# Altium PCB roach2.PcbDoc (part 15 of 39)
Units mil, origin at the board's own origin, x right, y up, seen from the top; angles counter-clockwise.
Board outline 12007.87 x 9606.3 mil, 16 copper layers (L1_TOP, L2_G, L3_S, L4_G, L5_S, L6_P, L7_G, L8_R, L9_R, L10_P, L11_P, L12_S, L13_P, L14_S, L15_G, L16_BOT), stack 81.651 mil thick; 1568 components, 1918 nets, 9251 pads, 6741 vias.
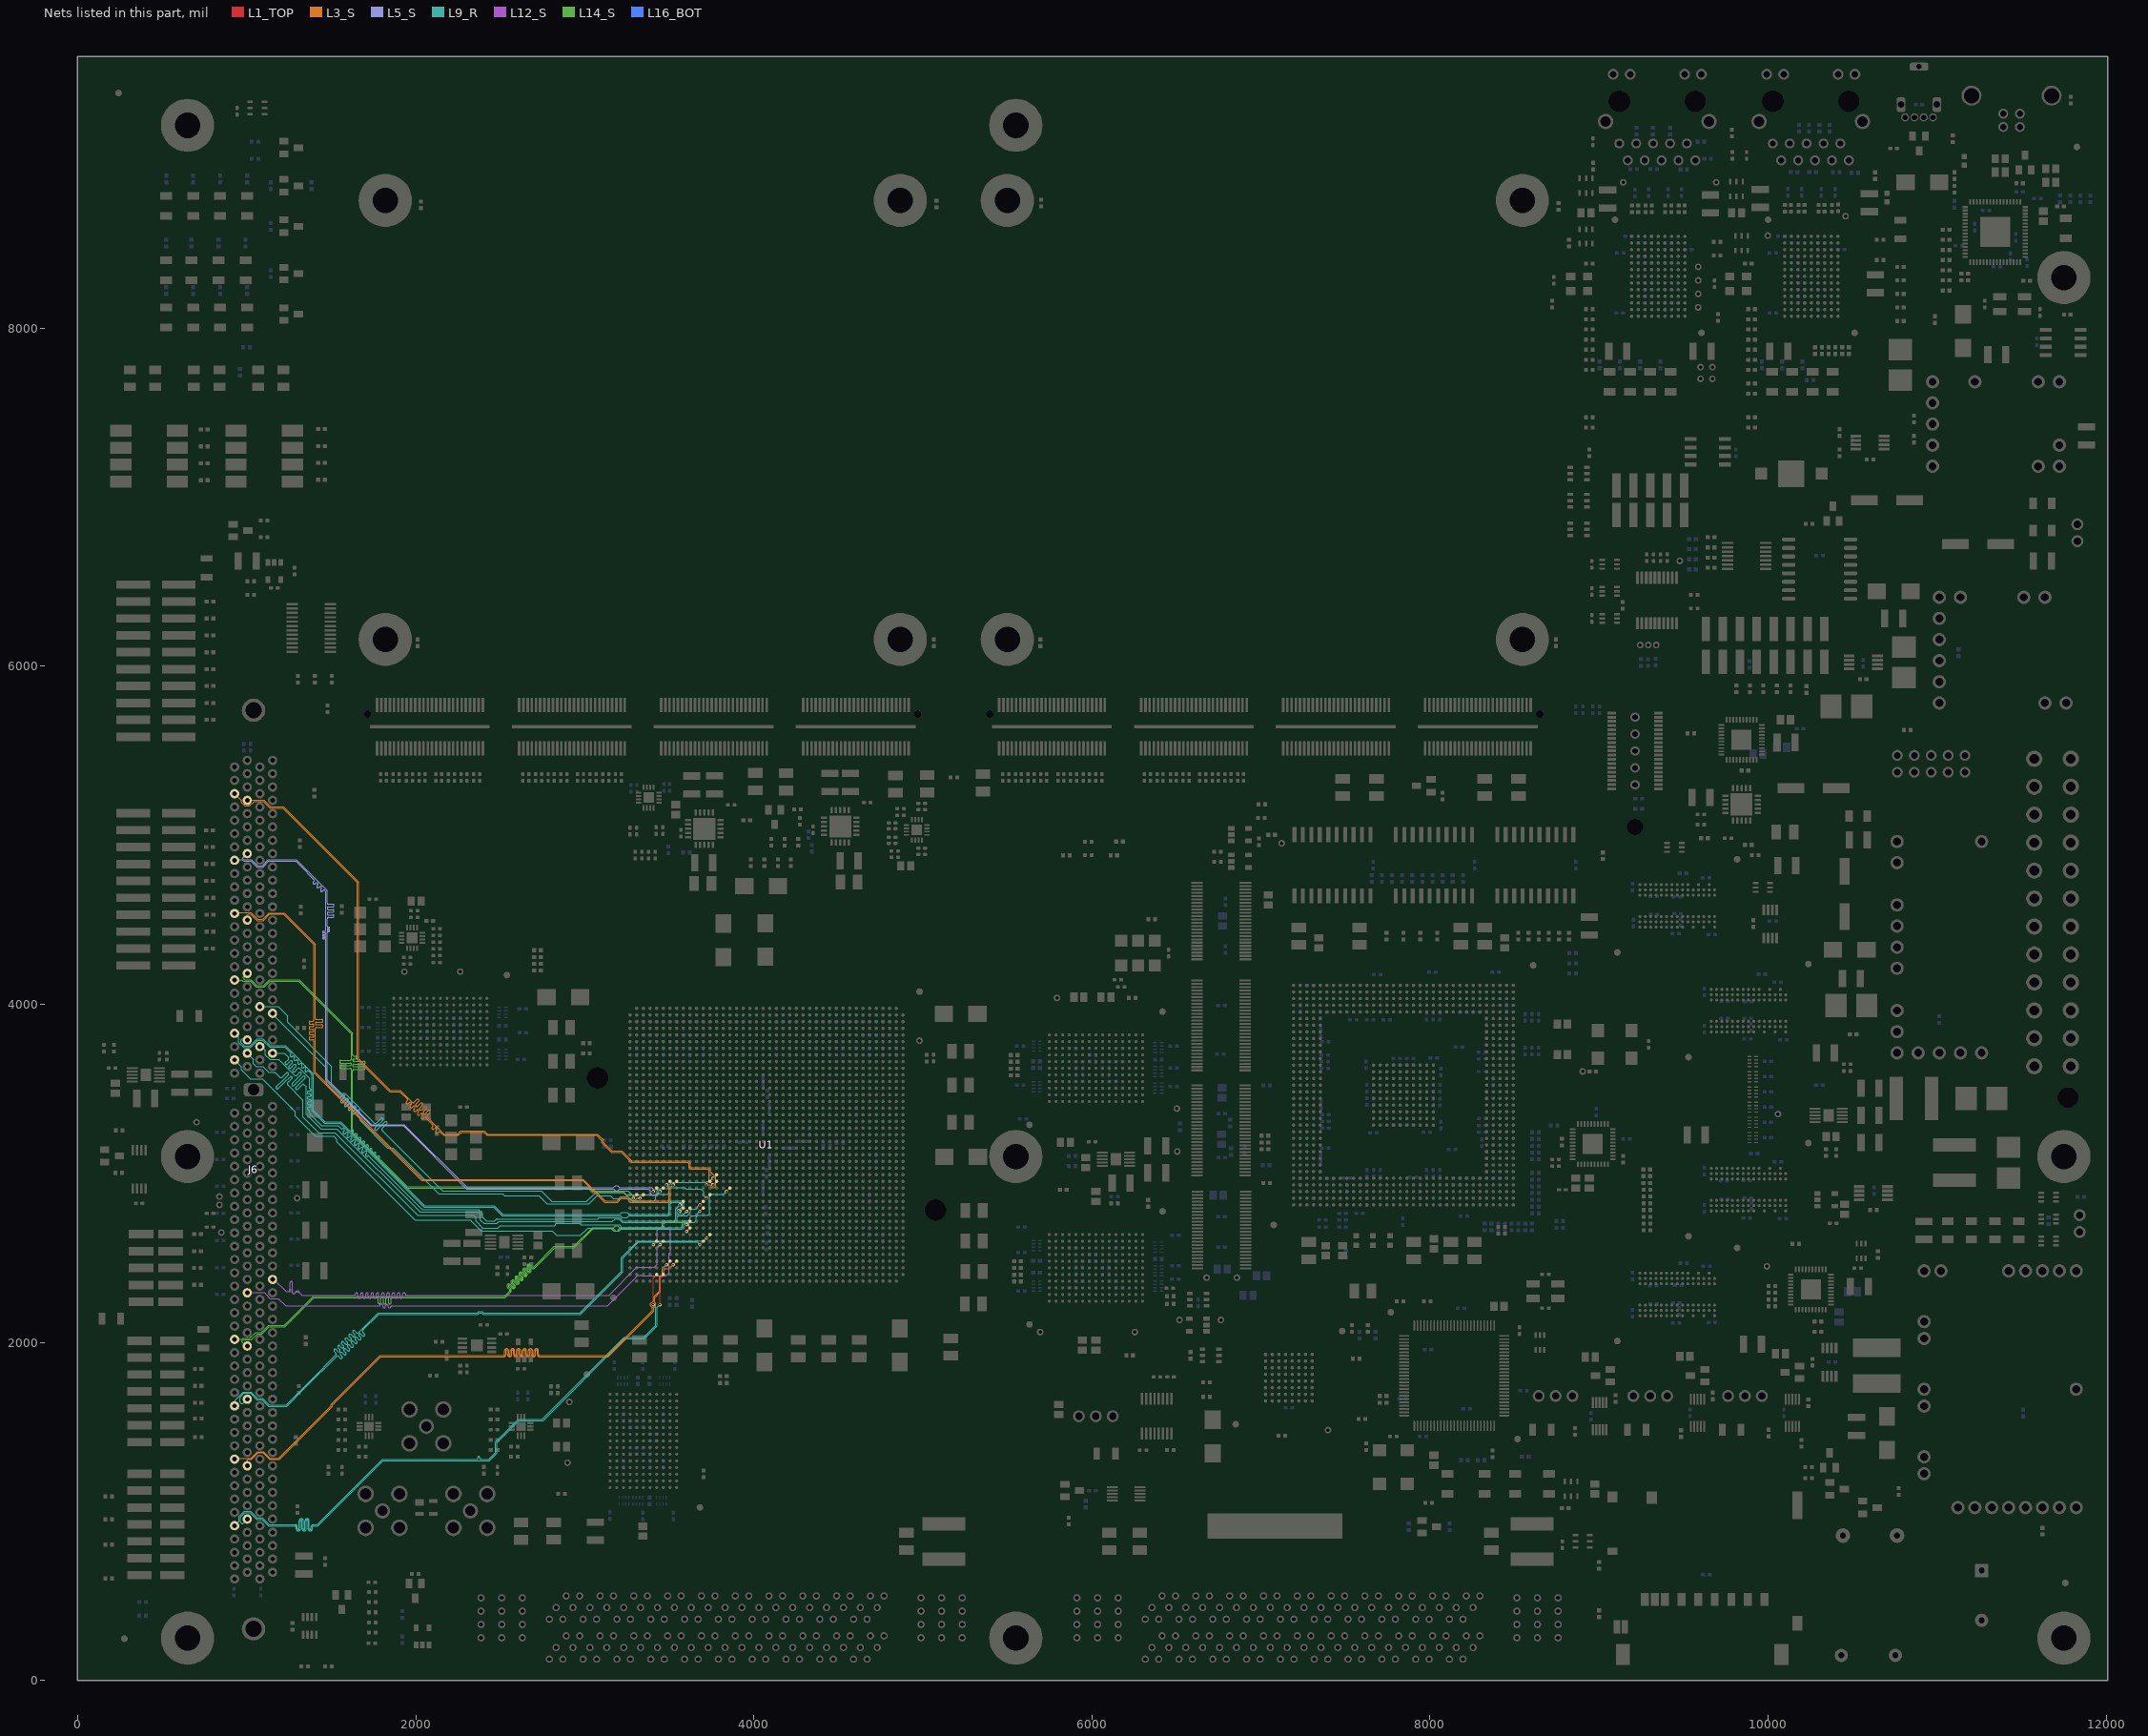
[diagram p29: the nets of this part, all layers, seen from the top]

## Via types
v1: diameter 19.4, hole 10, L1_TOP to L16_BOT, tented both sides, 3354 vias
v2: diameter 19.4, hole 10, L1_TOP to L16_BOT, 1954 vias
v3: diameter 19.4, hole 10, L1_TOP to L16_BOT, tented top, 429 vias
v4: diameter 18.6, hole 10, L1_TOP to L16_BOT, tented both sides, 311 vias
v5: diameter 59.06, hole 39.37, L1_TOP to L16_BOT, 217 vias
v6: diameter 19.4, hole 10.04, L1_TOP to L16_BOT, 125 vias
v7: diameter 19, hole 10, L1_TOP to L16_BOT, 93 vias
v8: diameter 19.4, hole 10, L1_TOP to L16_BOT, tented bottom, 80 vias
v9: diameter 25.98, hole 12.99, L1_TOP to L16_BOT, tented top, 55 vias
v10: diameter 20, hole 10, L1_TOP to L16_BOT, 53 vias
v11: diameter 59.06, hole 39.37, L1_TOP to L16_BOT, tented top, 44 vias
v12: diameter 20, hole 10, L1_TOP to L16_BOT, tented top, 16 vias
v13: diameter 19, hole 10, L1_TOP to L16_BOT, tented top, 5 vias
v14: diameter 25.98, hole 12.99, L1_TOP to L16_BOT, 4 vias
v15: diameter 50, hole 28, L1_TOP to L16_BOT, 1 vias

## Nets (pads, with @x,y where several pads share a name; then routed paths per layer and width w, separated by ;. In a path a pad name is that pad's centre, name@x,y a point inside that pad or via, vN(x,y) a via of type N, cw(c..) or ccw(c..) an arc to the next point about the centre after c; other vN are vias at no path point) (continued)
DDR3.DQ66: J6.45 U1.AL31 | length 3600
  L1_TOP w5: v1(3680.2,2774.05) U1.AL31@3699.89,2793.74
  L9_R w3.8: J6.45@1002.99,3710.71 1038.99,3674.71 1038.99,3648.99 1056.99,3630.99 1096.99,3630.99 1129.48,3598.51 1166.46,3598.51 1166.94,3598.99 1197.86,3568.08 ccw(c1203.38,3573.6) 1208.9,3568.08 1234.02,3593.2 cw(c1239.54,3587.68) 1245.06,3593.2 cw(c1239.54,3587.68) 1245.06,3582.16 1214.41,3551.52 1175.24,3512.34 ccw(c1180.76,3506.82) 1175.24,3501.3 ccw(c1180.76,3506.82) 1186.28,3501.3 1225.45,3540.48 1256.1,3571.12 cw(c1261.62,3565.6) 1267.13,3571.12 cw(c1261.62,3565.6) 1267.13,3560.08 1242.01,3534.96 ccw(c1247.53,3529.44) 1242.01,3523.92 1332.99,3432.94 1332.99,3332.99 1424.99,3240.99 1520.99,3240.99 2010.99,2750.99 2340.99,2750.99 2354.99,2736.99 2354.99,2716.99 2394.99,2676.99 2484.99,2676.99 2498.99,2690.99 2820.99,2690.99 2833.42,2703.42 2967.67,2703.42 2976.09,2694.99 3204.99,2694.99 3220.27,2679.71 3568.56,2679.71 3577.69,2688.85 3577.69,2708.69 3587.71,2718.71 3612,2718.71 3623,2729.71 3623,2738.91 3634.37,2750.28 3656.43,2750.28 v1(3680.2,2774.05)
DDR3.DQ67: J6.46 U1.AG28 | length 3603.8
  L1_TOP w5: v1(3837.68,2892.16) U1.AG28@3857.37,2911.85
  L9_R w3.8: J6.46@928.19,3671.34 968.99,3630.53 968.99,3612.99 1022.85,3559.14 1091.66,3559.14 1286.99,3363.8 1286.99,3338.99 1406.99,3218.99 1514.99,3218.99 1532.99,3200.99 1532.99,3186.99 1994.99,2724.99 2320.99,2724.99 2386.99,2658.99 2806.99,2658.99 2832.99,2632.99 2837.89,2632.99 2838.32,2632.56 2974.56,2632.56 3018.99,2676.99 3152.99,2676.99 3170.99,2658.99 3200.99,2658.99 3213.54,2671.54 3571.42,2671.54 3585.49,2685.62 3585.49,2692.99 3585.86,2693.36 3585.86,2701.78 3595,2710.91 3648.91,2710.91 3658.99,2720.99 3658.99,2740.99 3668.99,2750.99 3726.99,2750.99 3736.99,2760.99 3736.99,2862.99 3748.99,2874.99 3820.51,2874.99 v1(3837.68,2892.16)
DDR3.DQ68: J6.158 U1.AJ26 | length 3600
  L1_TOP w5: v1(3758.94,2970.9) U1.AJ26@3778.63,2990.59
  L9_R w3.8: J6.158@1077.8,3986.3 1078.49,3986.99 1184.99,3986.99 1240.99,3930.99 1240.99,3892.99 1500.99,3632.99 1500.99,3530.93 1557.95,3473.97 1580.01,3473.97 1756.4,3297.58 ccw(c1761.92,3303.1) 1767.44,3297.58 1794.54,3324.68 cw(c1800.06,3319.16) 1805.58,3324.68 cw(c1800.06,3319.16) 1805.58,3313.64 1772.96,3281.02 1759.14,3267.2 ccw(c1764.66,3261.68) 1759.14,3256.16 ccw(c1764.66,3261.68) 1770.17,3256.16 1784,3269.98 1817.49,3303.48 cw(c1823.01,3297.96) 1828.53,3303.48 cw(c1823.01,3297.96) 1828.53,3292.44 1800.56,3264.46 ccw(c1806.08,3258.95) 1800.56,3253.43 1904.99,3148.99 2158.99,2894.99 2742.99,2894.99 2805.42,2832.56 3010.56,2832.56 3066.08,2888.08 3227.9,2888.08 3242.99,2872.99 3416.99,2872.99 3426.99,2882.99 3426.99,2898.99 3438.99,2910.99 3488.99,2910.99 3500.99,2922.99 3500.99,2931.87 3516.26,2947.13 3717.13,2947.13 3720.99,2950.99 3739.03,2950.99 v1(3758.94,2970.9)
DDR3.DQ69: J6.159 U1.AK29 | length 3600
  L1_TOP w5: v1(3719.57,2852.79) U1.AK29@3739.26,2872.48
  L9_R w3.8: J6.159@1152.6,3946.93 1152.6,3943.4 1472,3624 1472,3528 1547.24,3452.76 ccw(c1552.76,3458.28) 1558.28,3452.76 1567.5,3461.98 cw(c1573.02,3456.46) 1578.54,3461.98 cw(c1573.02,3456.46) 1578.54,3450.94 1563.8,3436.2 1558.05,3430.44 ccw(c1563.57,3424.92) 1558.05,3419.4 ccw(c1563.57,3424.92) 1569.09,3419.4 1574.84,3425.16 1589.58,3439.9 cw(c1595.1,3434.38) 1600.62,3439.9 cw(c1595.1,3434.38) 1600.62,3428.86 1585.88,3414.12 1580.12,3408.37 ccw(c1585.64,3402.85) 1580.12,3397.33 ccw(c1585.64,3402.85) 1591.16,3397.33 1596.92,3403.08 1611.66,3417.82 cw(c1617.18,3412.3) 1622.7,3417.82 cw(c1617.18,3412.3) 1622.7,3406.78 1607.96,3392.04 1602.2,3386.29 ccw(c1607.72,3380.77) 1602.2,3375.25 ccw(c1607.72,3380.77) 1613.24,3375.25 1619,3381 1633.73,3395.74 cw(c1639.25,3390.22) 1644.77,3395.74 cw(c1639.25,3390.22) 1644.77,3384.71 1630.03,3369.97 1624.28,3364.21 ccw(c1629.8,3358.69) 1624.28,3353.17 ccw(c1629.8,3358.69) 1635.32,3353.17 1641.07,3358.93 1655.81,3373.67 cw(c1661.33,3368.15) 1666.85,3373.67 cw(c1661.33,3368.15) 1666.85,3362.63 1657.63,3353.41 ccw(c1663.15,3347.89) 1657.63,3342.37 1671,3329 1671,3312 1832,3151 1865,3151 2136,2880 2513,2880 2525,2868 2729,2868 2776.21,2820.79 3023.79,2820.79 3071.39,2868.39 3150.61,2868.39 3167,2852 3265.24,2852 3280.04,2837.19 3411.07,2837.19 3420.58,2846.7 3420.58,2862.49 3434.66,2876.56 3491.34,2876.56 3498.95,2884.18 3498.95,2901.49 3513.03,2915.56 3591.44,2915.56 3599.24,2907.76 3686.67,2907.76 3703.97,2890.46 3703.97,2868.39 v1(3719.57,2852.79)
DDR3.DQ70: J6.164 U1.AL30 | length 3600
  L1_TOP w5: v1(3680.2,2813.42) U1.AL30@3699.89,2833.11
  L9_R w3.8: J6.164@1077.8,3750.08 1087.91,3750.08 1110.99,3726.99 1110.99,3700.99 1136.99,3674.99 1189.01,3674.99 1209.5,3654.5 1284.32,3579.68 ccw(c1289.84,3585.2) 1295.36,3579.68 1310.86,3595.19 cw(c1316.38,3589.67) 1321.9,3595.19 cw(c1316.38,3589.67) 1321.9,3584.15 1300.88,3563.12 1268.81,3531.06 ccw(c1274.33,3525.54) 1268.81,3520.02 ccw(c1274.33,3525.54) 1279.85,3520.02 1311.91,3552.09 1332.94,3573.11 cw(c1338.46,3567.59) 1343.98,3573.11 cw(c1338.46,3567.59) 1343.98,3562.07 1322.95,3541.05 1290.89,3508.98 ccw(c1296.41,3503.46) 1290.89,3497.94 ccw(c1296.41,3503.46) 1301.93,3497.94 1328.47,3524.49 cw(c1333.99,3518.97) 1339.51,3524.49 1350.99,3513.01 1350.99,3350.99 1438.99,3262.99 1532.99,3262.99 2024.99,2770.99 2370.99,2770.99 2382.99,2758.99 2382.99,2724.99 2404.99,2702.99 2478.99,2702.99 2490.99,2714.99 3162.99,2714.99 3178.6,2730.6 3201.38,2730.6 3221.07,2710.91 3524.99,2710.91 3525.36,2711.28 3532.41,2711.28 3546.49,2725.36 3546.49,2741.15 3555.63,2750.28 3604.28,2750.28 3625.23,2771.23 3625.23,2780.52 3634.37,2789.65 3656.43,2789.65 v1(3680.2,2813.42)
DDR3.DQ71: J6.165 U1.AP30 | length 3600
  L1_TOP w5: v1(3562.09,2813.42) U1.AP30@3581.78,2833.11
  L9_R w3.8: J6.165@1152.6,3710.71 1222.29,3710.71 1244,3689 1246.77,3686.23 cw(c1241.25,3680.71) 1246.77,3675.19 1228.83,3657.24 ccw(c1234.35,3651.72) 1228.83,3646.2 ccw(c1234.35,3651.72) 1239.87,3646.2 1257.81,3664.15 cw(c1263.33,3658.63) 1268.85,3664.15 cw(c1263.33,3658.63) 1268.85,3653.11 1250.9,3635.16 ccw(c1256.42,3629.64) 1250.9,3624.12 ccw(c1256.42,3629.64) 1261.94,3624.12 1279.89,3642.07 cw(c1285.41,3636.55) 1290.93,3642.07 cw(c1285.41,3636.55) 1290.93,3631.03 1272.98,3613.09 ccw(c1278.5,3607.57) 1272.98,3602.05 ccw(c1278.5,3607.57) 1284.02,3602.05 1301.97,3619.99 ; 1301.97,3619.99 cw(c1307.49,3614.47) 1313.01,3619.99 1370.99,3562.01 1370.99,3509 1370.99,3501.79 ccw(c1371.59,3501.79) 1371.59,3501.19 cw(c1371.59,3493.39) 1379.39,3493.39 cw(c1371.59,3493.39) 1371.59,3485.58 1370.99,3485.58 1366.6,3485.58 ccw(c1366.6,3477.78) 1358.79,3477.78 ccw(c1366.6,3477.78) 1366.6,3469.97 1370.99,3469.97 1371.59,3469.97 cw(c1371.59,3462.17) 1379.39,3462.17 cw(c1371.59,3462.17) 1371.59,3454.36 1370.99,3454.36 1366.6,3454.36 ccw(c1366.6,3446.56) 1358.79,3446.56 ccw(c1366.6,3446.56) 1366.6,3438.75 1370.99,3438.75 1371.59,3438.75 cw(c1371.59,3430.95) 1379.39,3430.95 cw(c1371.59,3430.95) 1371.59,3423.14 1370.99,3423.14 1366.6,3423.14 ccw(c1366.6,3415.33) 1358.79,3415.33 ccw(c1366.6,3415.33) 1366.6,3407.53 1370.99,3407.53 1371.59,3407.53 cw(c1371.59,3399.72) 1379.39,3399.72 cw(c1371.59,3399.72) 1371.59,3391.92 1370.99,3391.92 1366.6,3391.92 ccw(c1366.6,3384.11) 1358.79,3384.11 ccw(c1366.6,3384.11) 1366.6,3376.31 cw(c1366.6,3371.91) 1370.99,3371.91 1370.99,3360.7 1370.99,3354.99 1376.51,3349.47 ; 1372.49,3353.49 1442.99,3282.99 1540.99,3282.99 1558.08,3265.9 1562.15,3261.83 ccw(c1563.6,3263.29) 1565.05,3261.83 cw(c1570.57,3256.32) 1576.09,3261.83 cw(c1570.57,3256.32) 1576.09,3250.8 1574.64,3249.34 1571.77,3246.47 ccw(c1577.29,3240.95) 1571.77,3235.43 ccw(c1577.29,3240.95) 1582.81,3235.43 1585.68,3238.31 1587.03,3239.66 cw(c1592.55,3234.14) 1598.07,3239.66 cw(c1592.55,3234.14) 1598.07,3228.62 1596.72,3227.27 1593.85,3224.4 ccw(c1599.37,3218.88) 1593.85,3213.36 ccw(c1599.37,3218.88) 1604.89,3213.36 1607.76,3216.23 1609.11,3217.58 cw(c1614.63,3212.07) 1620.15,3217.58 cw(c1614.63,3212.07) 1620.15,3206.55 1618.79,3205.19 1615.92,3202.32 ccw(c1621.44,3196.8) 1615.92,3191.28 ccw(c1621.44,3196.8) 1626.96,3191.28 1629.83,3194.15 1631.19,3195.51 cw(c1636.71,3189.99) 1642.23,3195.51 cw(c1636.71,3189.99) 1642.23,3184.47 1640.87,3183.11 1638,3180.24 ccw(c1643.52,3174.72) 1638,3169.2 ccw(c1643.52,3174.72) 1649.04,3169.2 1651.91,3172.07 1653.27,3173.43 cw(c1658.79,3167.91) 1664.3,3173.43 cw(c1658.79,3167.91) 1664.3,3162.39 1662.95,3161.04 1660.08,3158.16 ccw(c1665.6,3152.65) 1660.08,3147.13 ccw(c1665.6,3152.65) 1671.12,3147.13 1673.99,3150 1675.34,3151.35 cw(c1680.86,3145.83) 1686.38,3151.35 cw(c1680.86,3145.83) 1686.38,3140.31 1685.03,3138.96 1682.16,3136.09 ccw(c1687.67,3130.57) 1682.16,3125.05 ccw(c1687.67,3130.57) 1693.19,3125.05 1696.06,3127.92 1697.42,3129.28 cw(c1702.94,3123.76) 1708.46,3129.28 cw(c1702.94,3123.76) 1708.46,3118.24 1707.1,3116.88 1704.23,3114.01 ccw(c1709.75,3108.49) 1704.23,3102.97 ccw(c1709.75,3108.49) 1715.27,3102.97 ; 1715.26,3102.96 1715.19,3102.89 cw(c1718.14,3099.91) 1721.11,3102.88 1842.65,2981.34 2036.99,2786.99 2368.99,2786.99 2394.99,2760.99 2394.99,2740.99 2416.99,2718.99 2466.99,2718.99 2478.99,2730.99 2479.64,2730.35 3074.35,2730.35 3082.99,2738.99 3204.99,2738.99 3224.9,2719.08 3529.18,2719.08 3538.32,2728.22 3538.32,2789.65 v1(3562.09,2813.42)
DDR3.DQS_N0: J6.6 U1.AJ27 | length 4750
  L1_TOP w5: v1(3758.94,2931.53) U1.AJ27@3778.63,2951.22
  L3_S w3.8: J6.6@928.19,5246.14 969.53,5204.8 969.53,5192.91 989.13,5173.31 1016.85,5173.31 1044.53,5200.99 1098.99,5200.99 1138.62,5161.37 1138.74,5161.49 1214.49,5161.49 1655.19,4720.79 1655.19,3673.56 1845.76,3482.99 1905.96,3482.99 1948.98,3439.98 1950.04,3438.91 cw(c1944.52,3433.39) 1950.04,3427.87 1945.11,3422.94 ccw(c1950.63,3417.42) 1945.11,3411.9 ccw(c1950.63,3417.42) 1956.15,3411.9 1961.08,3416.83 cw(c1966.6,3411.31) 1972.12,3416.83 cw(c1966.6,3411.31) 1972.12,3405.79 1967.19,3400.86 ccw(c1972.71,3395.34) 1967.19,3389.82 ccw(c1972.71,3395.34) 1978.23,3389.82 1983.16,3394.76 cw(c1988.68,3389.24) 1994.2,3394.76 cw(c1988.68,3389.24) 1994.2,3383.72 1989.27,3378.79 ccw(c1994.79,3373.27) 1989.27,3367.75 ccw(c1994.79,3373.27) 2000.31,3367.75 2005.24,3372.68 cw(c2010.76,3367.16) 2016.28,3372.68 cw(c2010.76,3367.16) 2016.28,3361.64 2011.34,3356.71 ccw(c2016.86,3351.19) 2011.34,3345.67 ccw(c2016.86,3351.19) 2022.38,3345.67 2027.31,3350.6 cw(c2032.83,3345.08) 2038.35,3350.6 cw(c2032.83,3345.08) 2038.35,3339.56 2033.42,3334.63 ccw(c2038.94,3329.11) 2033.42,3323.59 ccw(c2038.94,3329.11) 2044.46,3323.59 2049.39,3328.52 cw(c2054.91,3323) 2060.43,3328.52 2089.56,3299.4 2095.08,3293.88 2100.6,3288.36 cw(c2095.08,3282.84) 2100.6,3277.32 2096.9,3273.62 ccw(c2102.42,3268.1) 2096.9,3262.58 ccw(c2102.42,3268.1) 2107.94,3262.58 2111.64,3266.28 cw(c2117.15,3260.76) 2122.67,3266.28 cw(c2117.15,3260.76) 2122.67,3255.24 2118.98,3251.54 ccw(c2124.5,3246.02) 2118.98,3240.5 ccw(c2124.5,3246.02) 2130.01,3240.5 2133.71,3244.2 cw(c2139.23,3238.68) 2144.75,3244.2 2153.98,3234.98 2163.96,3224.99 2252.22,3224.99 2270.43,3243.2 2401.8,3243.2 2420.01,3224.99 2424.99,3224.99 3069.62,3224.99 3101.19,3193.42 3101.19,3179.76 3156.65,3124.3 3216.65,3124.3 3275.71,3065.24 3607.93,3065.24 3617.06,3056.11 3617.06,3032.76 3623.76,3026.06 3727.63,3026.06 3735.91,3017.78 3735.91,2954.56 v1(3758.94,2931.53)
DDR3.DQS_N1: J6.15 U1.AV28 | length 4328
  L1_TOP w5: v1(3404.61,2892.16) U1.AV28@3424.3,2911.85
  L5_S w3.8: J6.15@1002.99,4891.81 978.51,4867.33 978.51,4862.51 986.22,4854.79 1028.13,4854.79 1063.94,4818.98 1091.66,4818.98 1127.47,4854.79 1292.22,4854.79 1474.99,4672.02 1474.99,4600 ccw(c1482.8,4600) 1482.8,4592.19 1509.34,4592.19 cw(c1509.34,4584.39) 1517.15,4584.39 cw(c1509.34,4584.39) 1509.34,4576.58 1482.8,4576.58 ccw(c1482.8,4568.78) 1474.99,4568.78 ccw(c1482.8,4568.78) 1482.8,4560.97 1509.34,4560.97 cw(c1509.34,4553.17) 1517.15,4553.17 cw(c1509.34,4553.17) 1509.34,4545.36 1482.8,4545.36 ccw(c1482.8,4537.56) 1474.99,4537.56 ccw(c1482.8,4537.56) 1482.8,4529.75 1509.34,4529.75 cw(c1509.34,4521.94) 1517.15,4521.94 cw(c1509.34,4521.94) 1509.34,4514.14 1482.8,4514.14 ccw(c1482.8,4506.33) 1474.99,4506.33 1474.99,4483 1474.99,4460.99 ; v1(3404.61,2892.16) 3404.61,2908.39 3397.44,2915.56 3206.43,2915.56 3194.54,2927.45 3181.62,2927.45 3169.73,2915.56 2304.42,2915.56 1931.19,3288.79 1739.19,3288.79 1474.99,3552.99 1474.99,4425.79 ; 1474.99,4425.79 cw(c1479.39,4425.79) 1479.39,4430.19 ; 1474.99,4425.79 cw(c1479.39,4425.79) 1479.39,4430.19 ; 1474.99,4443.39 ccw(c1479.39,4443.39) 1479.39,4438.99 ; 1474.99,4443.39 ccw(c1479.39,4443.39) 1479.39,4438.99 ; 1474.99,4443.39 cw(c1479.39,4443.39) 1479.39,4447.79 ; 1474.99,4443.39 cw(c1479.39,4443.39) 1479.39,4447.79 ; 1474.99,4460.99 ccw(c1479.39,4460.99) 1479.39,4456.59 ; 1474.99,4460.99 ccw(c1479.39,4460.99) 1479.39,4456.59 ; 1479.39,4430.19 1485.85,4430.19 ; 1479.39,4438.99 1485.85,4438.99 ; 1479.39,4447.79 1485.85,4447.79 ; 1479.39,4456.59 1485.85,4456.59 ; 1485.85,4430.19 ccw(c1485.85,4434.59) 1490.25,4434.59 ; 1485.85,4430.19 ccw(c1485.85,4434.59) 1490.25,4434.59 ; 1485.85,4438.99 cw(c1485.85,4434.59) 1490.25,4434.59 ; 1485.85,4438.99 cw(c1485.85,4434.59) 1490.25,4434.59 ; 1485.85,4447.79 ccw(c1485.85,4452.19) 1490.25,4452.19 ; 1485.85,4447.79 ccw(c1485.85,4452.19) 1490.25,4452.19 ; 1485.85,4456.59 cw(c1485.85,4452.19) 1490.25,4452.19 ; 1485.85,4456.59 cw(c1485.85,4452.19) 1490.25,4452.19
DDR3.DQS_N2: J6.24 U1.AT27 | length 4060
  L1_TOP w5: v1(3483.35,2931.53) U1.AT27@3503.04,2951.22
  L3_S w3.8: J6.24@928.19,4537.48 934.1,4543.39 1024.59,4543.39 1044.34,4523.65 1063.94,4504.02 1094.99,4504.02 1131.76,4540.79 1221.19,4540.79 1404.99,4356.99 1404.99,3918 ccw(c1412.8,3918) 1412.8,3910.19 1444.53,3910.19 cw(c1444.53,3902.39) 1452.33,3902.39 cw(c1444.53,3902.39) 1444.53,3894.58 1412.8,3894.58 ccw(c1412.8,3886.78) 1404.99,3886.78 ccw(c1412.8,3886.78) 1412.8,3878.97 1444.53,3878.97 cw(c1444.53,3871.17) 1452.33,3871.17 cw(c1444.53,3871.17) 1444.53,3863.36 1412.8,3863.36 ccw(c1412.8,3855.56) 1404.99,3855.56 1404.99,3781.39 1404.99,3598.99 2038.99,2964.99 2992.02,2964.99 3119.82,2837.19 3190.16,2837.19 3213.76,2860.79 3256.44,2860.79 3280.04,2837.19 3489.81,2837.19 3499.14,2846.52 3499.14,2915.75 v1(3483.35,2931.53)
DDR3.DQS_N3: J6.33 U1.BA29 | length 3600
  L1_TOP w5: v3(3286.5,2852.79) U1.BA29@3306.19,2872.48
  L14_S w3.8: J6.33@1002.99,4183.15 999.15,4183.15 978.99,4162.99 978.99,4154.99 988.31,4145.67 1024.31,4145.67 1059.66,4110.32 1100.16,4110.32 1135.51,4145.67 1309.35,4145.67 1626.99,3828.02 1626.99,3701 ccw(c1634.8,3701) 1634.8,3693.19 1642.5,3693.19 cw(c1642.5,3685.39) 1650.3,3685.39 cw(c1642.5,3685.39) 1642.5,3677.58 1634.8,3677.58 ccw(c1634.8,3669.78) 1626.99,3669.78 ccw(c1634.8,3669.78) 1634.8,3661.97 1694.06,3661.97 cw(c1694.06,3654.17) 1701.86,3654.17 cw(c1694.06,3654.17) 1694.06,3646.36 1634.8,3646.36 ccw(c1634.8,3638.56) 1626.99,3638.56 ccw(c1634.8,3638.56) 1634.8,3630.75 1694.06,3630.75 cw(c1694.06,3622.95) 1701.86,3622.95 cw(c1694.06,3622.95) 1694.06,3615.14 1634.8,3615.14 ccw(c1634.8,3607.33) 1626.99,3607.33 1626.99,3492 1626.99,3244.02 1949.74,2921.28 3022.71,2921.28 3048.1,2895.88 3256.43,2895.88 3286.5,2865.81 v3(3286.5,2852.79)
DDR3.DQS_N4: J6.84 U1.AN34 | length 3596.3
  L1_TOP w5: v1(3601.46,2655.94) U1.AN34@3621.15,2675.63
  L14_S w3.8: J6.84@928.19,2017.8 970.77,2017.8 976.68,2023.71 1016.85,2023.71 1052.2,2059.06 1088.02,2059.06 1129.96,2100.99 1221.96,2100.99 1393.96,2272.99 2524.99,2272.99 2556.69,2304.69 ; 2556.69,2310.91 cw(c2553.57,2307.8) 2557.97,2307.8 ; 2556.68,2310.92 2542.9,2324.7 ; 2644.36,2398.6 2630.59,2412.37 ; 2644.37,2398.59 ccw(c2647.48,2401.7) 2650.59,2398.59 ccw(c2647.48,2401.7) 2651.88,2401.7 ; 2691.31,2445.55 2677.54,2459.32 ccw(c2668.91,2450.7) 2660.28,2442.08 2674.07,2428.29 ; 2691.32,2445.54 ccw(c2694.43,2448.65) 2697.54,2445.54 2703.4,2451.4 2819.79,2567.79 2934.84,2567.79 3046.76,2679.71 3170.1,2679.71 3181.62,2691.23 3194.54,2691.23 3206.06,2679.71 3450.44,2679.71 3459.58,2688.85 3459.58,2704.64 3473.66,2718.71 3600.13,2718.71 3617.06,2701.78 3617.06,2671.54 v1(3601.46,2655.94) ; 2542.9,2324.7 cw(c2551.53,2333.32) 2560.15,2341.96 ; 2542.9,2324.7 cw(c2551.53,2333.32) 2560.15,2341.96 ; 2556.69,2304.69 ccw(c2553.57,2307.8) 2557.97,2307.8 ; 2556.69,2304.69 ccw(c2553.57,2307.8) 2557.97,2307.8 ; 2560.15,2341.95 2573.94,2328.16 ccw(c2577.05,2331.27) 2581.45,2331.27 ccw(c2577.05,2331.27) 2580.16,2334.38 2566.37,2348.17 ; 2566.37,2348.18 cw(c2575,2356.8) 2583.63,2365.43 ; 2566.37,2348.18 cw(c2575,2356.8) 2583.63,2365.43 ; 2583.63,2365.43 2597.41,2351.65 ccw(c2600.53,2354.75) 2603.64,2351.64 ccw(c2600.53,2354.75) 2604.93,2354.75 ccw(c2600.53,2354.75) 2603.64,2357.86 2589.85,2371.65 cw(c2598.48,2380.27) 2607.1,2388.91 2620.89,2375.11 ccw(c2624,2378.23) 2628.4,2378.23 ccw(c2624,2378.23) 2627.11,2381.34 2613.33,2395.12 ; 2613.33,2395.12 cw(c2621.95,2403.75) 2630.57,2412.38 ; 2613.33,2395.12 cw(c2621.95,2403.75) 2630.57,2412.38 ; 2636.8,2418.61 cw(c2645.43,2427.23) 2654.05,2435.86 ; 2636.8,2418.61 cw(c2645.43,2427.23) 2654.05,2435.86 ; 2636.8,2418.6 2650.59,2404.81 ; 2650.59,2404.81 cw(c2647.48,2401.7) 2651.88,2401.7 ; 2650.59,2404.81 cw(c2647.48,2401.7) 2651.88,2401.7 ; 2654.06,2435.85 2667.84,2422.07 ccw(c2670.95,2425.18) 2675.35,2425.18 ; 2674.07,2428.29 cw(c2670.95,2425.18) 2675.35,2425.18 ; 2674.07,2428.29 cw(c2670.95,2425.18) 2675.35,2425.18
DDR3.DQS_N5: J6.93 U1.AL36 | length 3660
  L1_TOP w5: v1(3680.2,2577.2) U1.AL36@3699.89,2596.89
  L9_R w3.8: J6.93@1002.99,1663.46 978.52,1638.99 966.99,1638.99 958.99,1646.99 958.99,1674.99 982.99,1698.99 1021.96,1698.99 1059.96,1660.99 1089.96,1660.99 1129.76,1621.19 1236.19,1621.19 1345,1730 1531.66,1916.66 cw(c1537.18,1911.14) 1542.7,1916.66 1552.51,1906.85 ccw(c1558.03,1912.37) 1563.55,1906.85 ccw(c1558.03,1912.37) 1563.55,1917.89 1553.74,1927.7 cw(c1559.26,1933.22) 1553.74,1938.74 cw(c1559.26,1933.22) 1564.78,1938.74 1574.59,1928.93 ccw(c1580.11,1934.45) 1585.63,1928.93 ccw(c1580.11,1934.45) 1585.63,1939.97 1575.82,1949.78 cw(c1581.33,1955.3) 1575.82,1960.82 cw(c1581.33,1955.3) 1586.85,1960.82 1596.67,1951 ccw(c1602.18,1956.52) 1607.7,1951 ccw(c1602.18,1956.52) 1607.7,1962.04 1597.89,1971.85 cw(c1603.41,1977.37) 1597.89,1982.89 cw(c1603.41,1977.37) 1608.93,1982.89 1618.74,1973.08 ccw(c1624.26,1978.6) 1629.78,1973.08 ccw(c1624.26,1978.6) 1629.78,1984.12 1619.97,1993.93 cw(c1625.49,1999.45) 1619.97,2004.97 cw(c1625.49,1999.45) 1631.01,2004.97 1640.82,1995.16 ccw(c1646.34,2000.68) 1651.86,1995.16 ccw(c1646.34,2000.68) 1651.86,2006.2 1642.05,2016.01 cw(c1647.57,2021.53) 1642.05,2027.05 cw(c1647.57,2021.53) 1653.09,2027.05 1662.9,2017.24 ccw(c1668.42,2022.75) 1673.94,2017.24 ccw(c1668.42,2022.75) 1673.94,2028.27 1664.12,2038.09 cw(c1669.64,2043.61) 1664.12,2049.12 cw(c1669.64,2043.61) 1675.16,2049.12 1684.97,2039.31 ccw(c1690.49,2044.83) 1696.01,2039.31 ccw(c1690.49,2044.83) 1696.01,2050.35 1686.2,2060.16 cw(c1691.72,2065.68) 1686.2,2071.2 1780.19,2165.19 2368.13,2165.19 2376.53,2173.59 2389.45,2173.59 2397.25,2165.79 2974.82,2165.79 3224.99,2415.96 3224.99,2498.99 3319.17,2593.17 3664.23,2593.17 v1(3680.2,2577.2)